# Altium PCB Vesa-Esp.PcbDoc
Units mm, origin at the board's own origin, x right, y up, seen from the top; angles counter-clockwise.
Board outline 120.35 x 116.57 mm, 2 copper layers (Top Layer, Bottom Layer); 80 components, 62 nets, 276 pads, 270 vias.
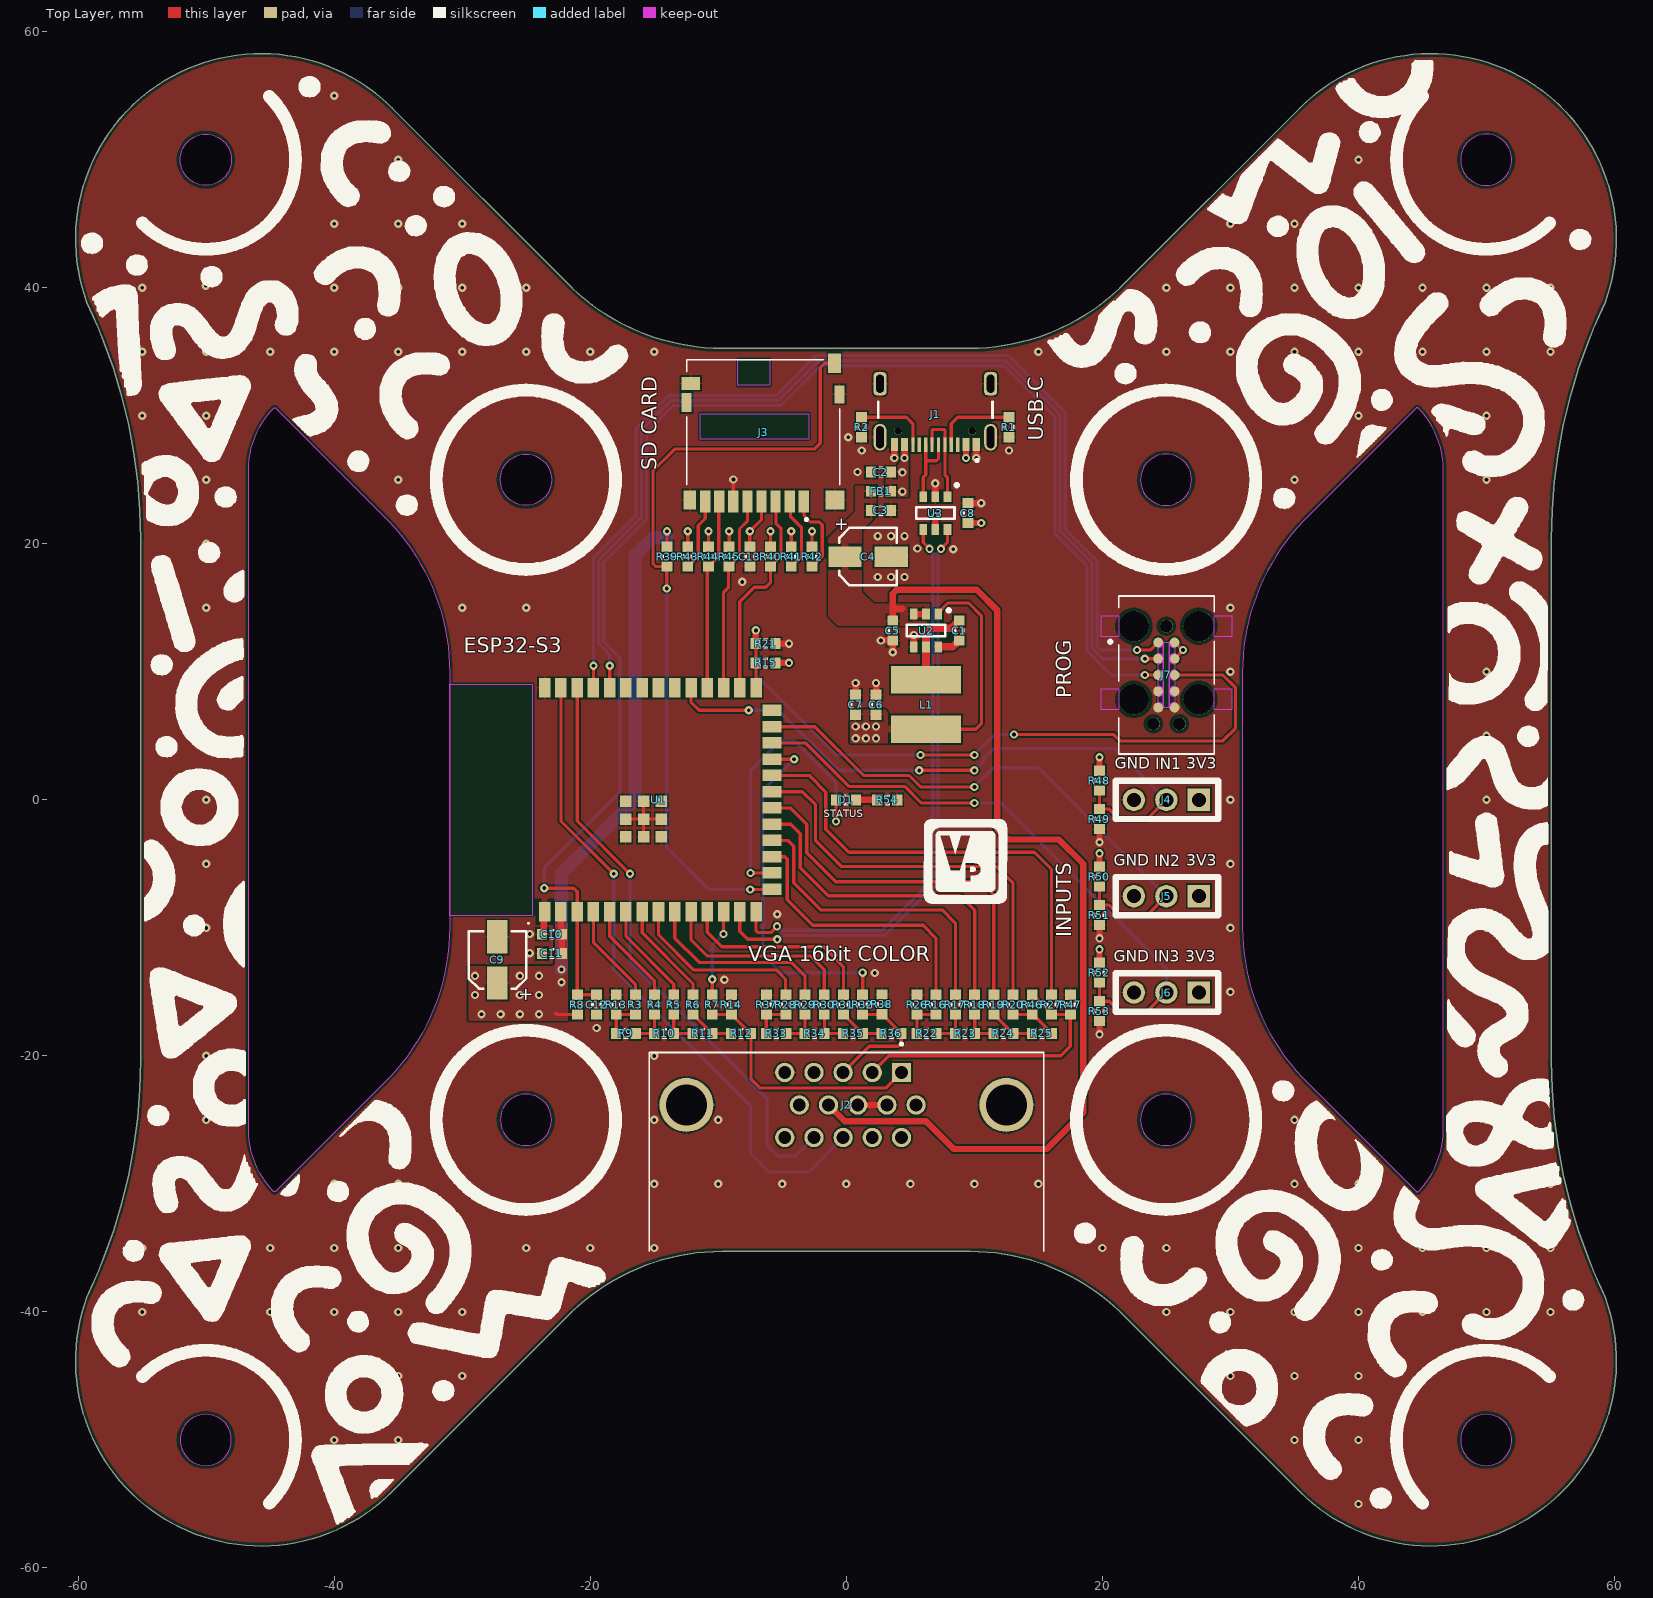
[diagram p0: Top Layer view]
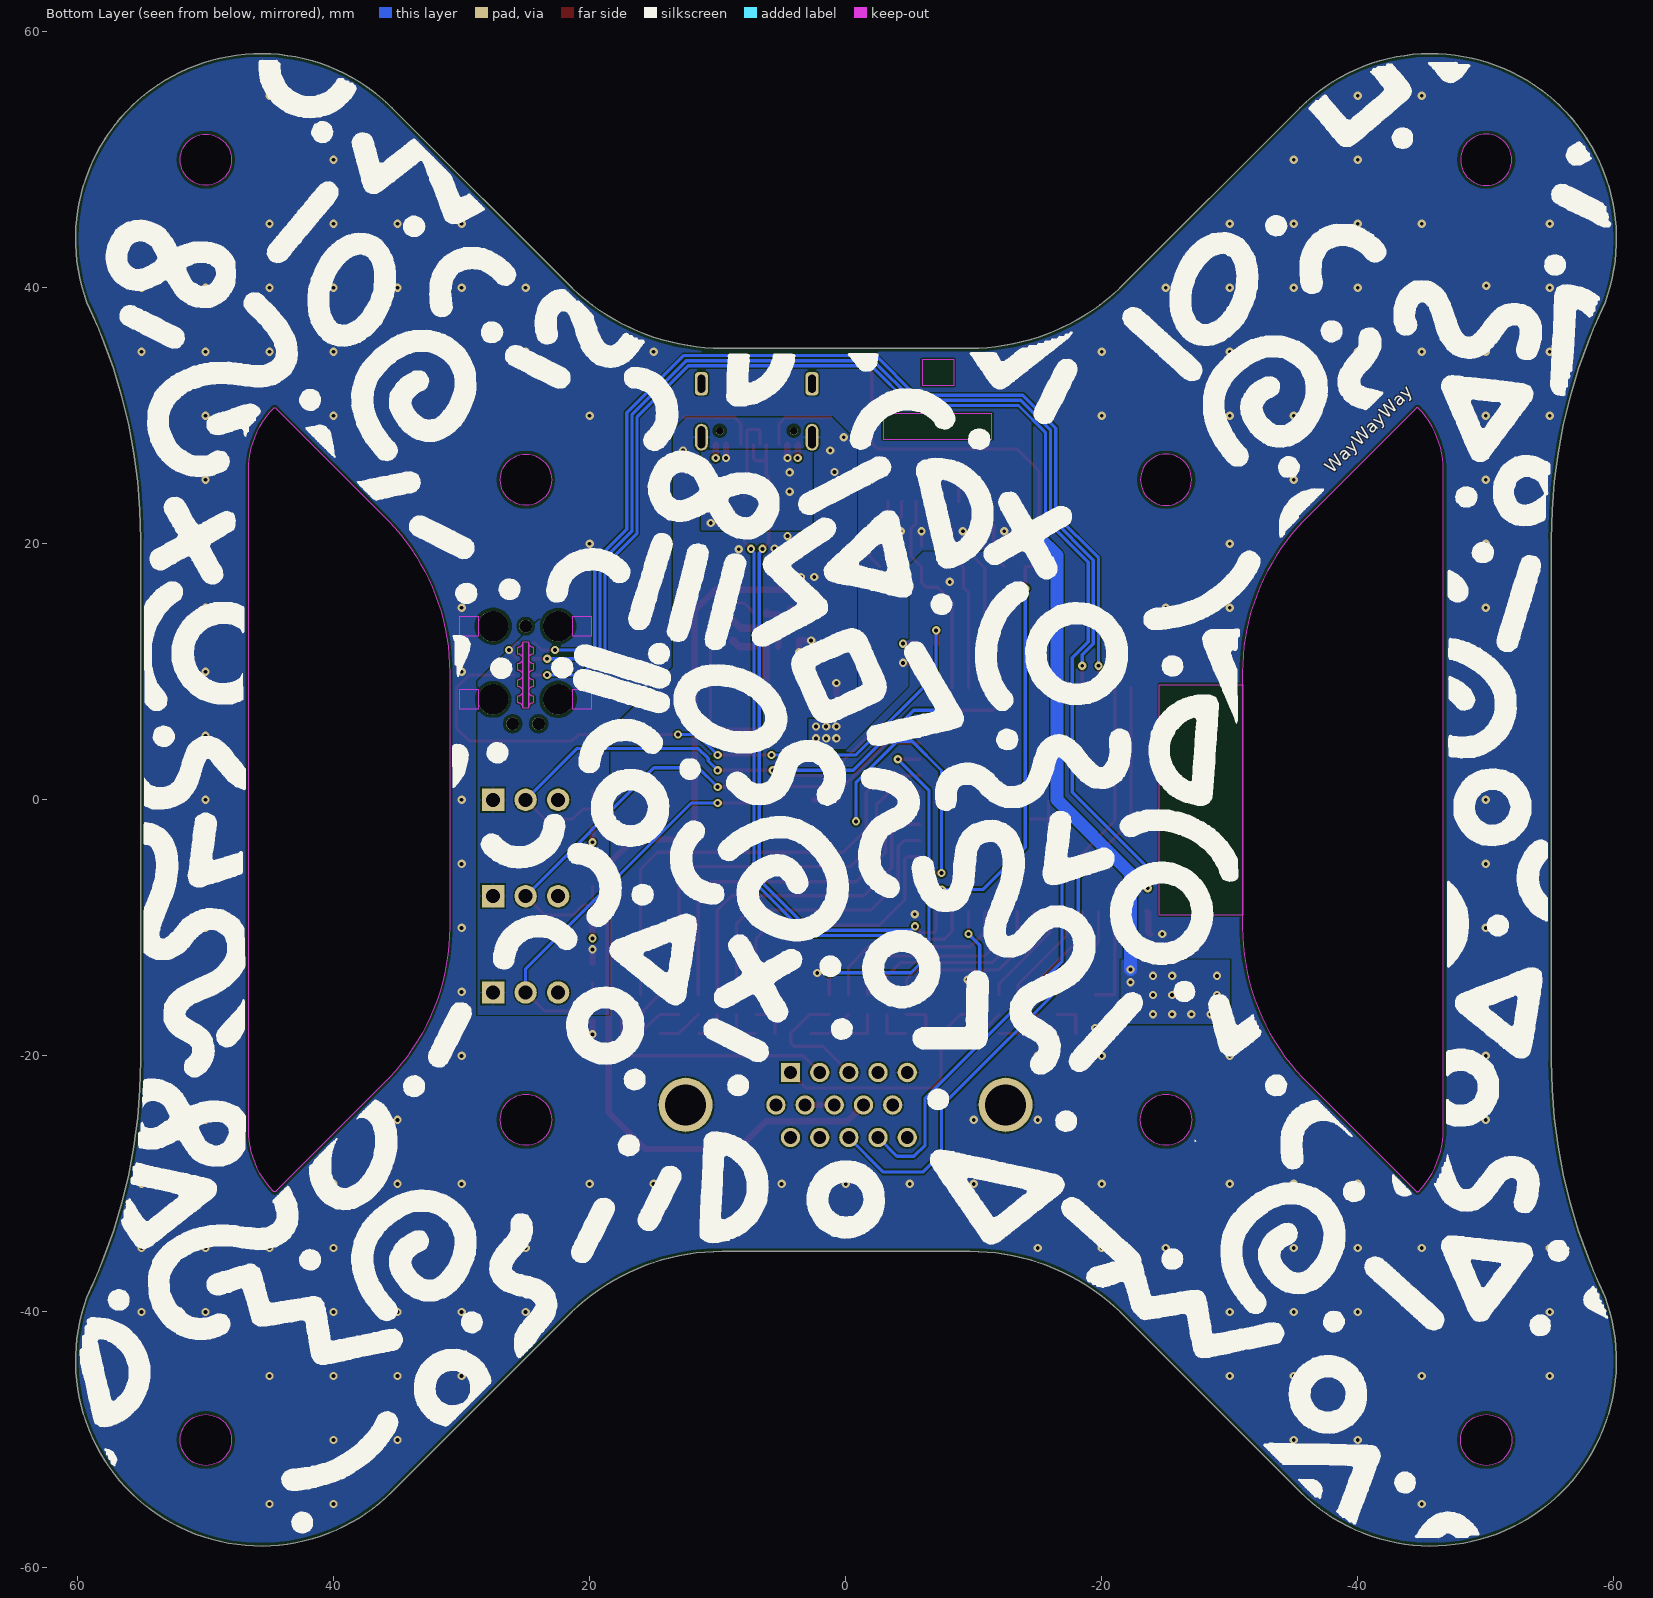
[diagram p1: Bottom Layer view, seen from below]

## Layer stack, top to bottom
Top Solder: solder mask 0.0102, Solder Resist, Dk 3.5
Top Layer: signal copper 0.0356
Dielectric 1: dielectric 0.32, FR-4, Dk 4.8
Bottom Layer: signal copper 0.0356
Bottom Solder: solder mask 0.0102, Solder Resist, Dk 3.5

## Board outline
-59.328,-38.855 ccw(c-97.864,-20.365) -55.122,-20.365 -55.122,20.365 ccw(c-97.864,20.365) -59.328,38.855 cw(c-45.722,43.807) -35.484,54.045 -21.415,39.975 ccw(c-9.694,52.229) -9.694,35.272 9.644,35.272 ccw(c9.644,52.229) 21.365,39.975 35.434,54.045 cw(c45.672,43.807) 59.278,38.855 ccw(c97.814,20.365) 55.072,20.365 55.072,-20.365 ccw(c97.814,-20.365) 59.278,-38.855 cw(c45.672,-43.807) 35.434,-54.045 21.365,-39.975 ccw(c9.644,-52.229) 9.644,-35.272 -9.694,-35.272 ccw(c-9.694,-52.229) -21.415,-39.975 -35.484,-54.045 cw(c-45.722,-43.807)
cut-out: 44.692,-30.588 ccw(c44.183,-30.099) 44.694,-30.586 ccw(c39.623,-25.739) 46.638,-25.739 46.638,25.739 ccw(c39.623,25.739) 44.692,30.588 ccw(c44.6,30.5) 44.501,30.58 35.678,21.757 ccw(c35.759,21.674) 35.675,21.754 ccw(c48.076,9.923) 30.937,9.923 30.937,-9.929 ccw(c31.06,-9.929) 30.937,-9.936 ccw(c48.076,-9.907) 35.647,-21.709 ccw(c35.767,-21.666) 35.678,-21.757 44.501,-30.58 ccw(c44.6,-30.5) 44.691,-30.589 ccw(c44.61,-30.51)
cut-out: -44.742,-30.588 cw(c-44.233,-30.099) -44.744,-30.586 cw(c-39.673,-25.739) -46.688,-25.739 -46.687,25.739 cw(c-39.673,25.739) -44.742,30.588 cw(c-44.65,30.5) -44.551,30.58 -35.727,21.757 cw(c-35.809,21.674) -35.725,21.754 cw(c-48.126,9.923) -30.987,9.923 -30.987,-9.929 cw(c-31.11,-9.929) -30.987,-9.936 cw(c-48.126,-9.907) -35.697,-21.709 cw(c-35.817,-21.666) -35.728,-21.757 -44.551,-30.58 cw(c-44.65,-30.5) -44.741,-30.589 cw(c-44.66,-30.51)
cut-out: -50.025,48 cw(c-50.025,50) -52.025,50 cw(c-50.025,50) -50.025,52 cw(c-50.025,50) -48.025,50 cw(c-50.025,50)
cut-out: -25.025,23 cw(c-25.025,25) -27.025,25 cw(c-25.025,25) -25.025,27 cw(c-25.025,25) -23.025,25 cw(c-25.025,25)
cut-out: 47.975,50 ccw(c49.975,50) 49.975,48 ccw(c49.975,50) 51.975,50 ccw(c49.975,50) 49.975,52 ccw(c49.975,50)
cut-out: 22.975,25 ccw(c24.975,25) 24.975,23 ccw(c24.975,25) 26.975,25 ccw(c24.975,25) 24.975,27 ccw(c24.975,25)
cut-out: 47.975,-50 ccw(c49.975,-50) 49.975,-52 ccw(c49.975,-50) 51.975,-50 ccw(c49.975,-50) 49.975,-48 ccw(c49.975,-50)
cut-out: 22.975,-25 ccw(c24.975,-25) 24.975,-27 ccw(c24.975,-25) 26.975,-25 ccw(c24.975,-25) 24.975,-23 ccw(c24.975,-25)
cut-out: -27.025,-25 ccw(c-25.025,-25) -25.025,-27 ccw(c-25.025,-25) -23.025,-25 ccw(c-25.025,-25) -25.025,-23 ccw(c-25.025,-25)
cut-out: -52.025,-50 ccw(c-50.025,-50) -50.025,-52 ccw(c-50.025,-50) -48.025,-50 ccw(c-50.025,-50) -50.025,-48 ccw(c-50.025,-50)

## Design rules (kind name [scope] priority, off if disabled: settings)
BoardOutlineClearance [All] p1: gap=0.2 ignorepadtopadclearanceinfootprint=FALSE
Clearance [All] p1: gap=0.127 ignorepadtopadclearanceinfootprint=TRUE except(0.254: Arc-Hole Track-Hole SMDPad-Hole THPad-Hole Via-Hole Fill-Hole Poly-Hole Region-Hole Text-Hole)
ComponentClearance [All] p1: gap=0.127 collisioncheckmode=3 verticalgap=0.127 showdistances=TRUE
DiffPairsRouting [All] p1: maxlimit=0.254 minlimit=0.127 mostfreqgap=0.127 toplayer_minwidth=0.127 toplayer_maxwidth=25.4 toplayer_prefwidth=0.127 bottomlayer_minwidth=0.127 bottomlayer_maxwidth=25.4 bottomlayer_prefwidth=0.127 maxuncoupledlength=12.7
Height [All] p1: minheight=0 maxheight=1816.048 prefheight=12.7
HoleSize [All] p1: absolutevalues=TRUE maxlimit=6.3 minlimit=0.3 maxpercent=80.000 minpercent=20.000
HoleToHoleClearance [All] p1: gap=0.254 allowstackedmicrovias=FALSE
MinimumAnnularRing [All] p1: minimumring=0.152
MinimumSolderMaskSliver [All] p1: minsoldermaskwidth=0.152
PlaneClearance [All] p1: clearance=0.127
PlaneConnect PlaneConnectPowerPads [InPadClass('PowerPads')] p1: planeconnectstyle=Direct reliefexpansion=0.508 reliefentries=4 reliefconductorwidth=0.254 reliefairgap=0.254
PlaneConnect [All] p2: planeconnectstyle=Relief reliefexpansion=0.3 reliefentries=4 reliefconductorwidth=0.508 reliefairgap=0.254
PolygonConnect PolygonConnectPowerPads [All vs (InPadClass('PowerPads'))] p1: connectstyle=Direct reliefconductorwidth=0.254 reliefentries=4 polygonreliefangle="90 Angle" airgapwidth=0.254
PolygonConnect [All] p2: thpad.connectstyle=Relief thpad.reliefconductorwidth=0.127 thpad.reliefentries=4 thpad.polygonreliefangle="90 Angle" thpad.airgapwidth=0.127 smdpad.connectstyle=Relief smdpad.reliefconductorwidth=0.127 smdpad.reliefentries=4 smdpad.polygonreliefangle="90 Angle" smdpad.airgapwidth=0.127 via.connectstyle=Direct via.reliefconductorwidth=0.127 via.reliefentries=4 via.polygonreliefangle="90 Angle" via.airgapwidth=0.127
RoutingVias [All] p1: holewidth=0.3 width=0.6 viastyle="Through Hole" minholewidth=0.3 minwidth=0.6 maxholewidth=0.6 maxwidth=6.6
SilkToSilkClearance [All] p1: silktosilkclearance=0.127
SilkToSolderMaskClearance [IsPad] p1: minsilkscreentomaskgap=0.127 clearancetoexposedcopper=TRUE
SolderMaskExpansion [All] p1: expansion=0.051 istentingtop=FALSE
UnRoutedNet [All] p1: checkbadconnections=TRUE
Width Width_10mil [All] p1: maxlimit=25.4 minlimit=0.254 preferedwidth=0.254 minimp=50.000000 maximp=50.000000 favimp=50.000000
Width Width_6mil [All] p2: maxlimit=25.4 minlimit=0.152 preferedwidth=0.152 minimp=50.000000 maximp=50.000000 favimp=50.000000
Width Power_20mil [All] p3: maxlimit=25.4 minlimit=0.508 preferedwidth=0.508 minimp=50.000000 maximp=50.000000 favimp=50.000000
Width Power_12mil [All] p4: maxlimit=25.4 minlimit=0.305 preferedwidth=0.305 minimp=50.000000 maximp=50.000000 favimp=50.000000
Width Width_5mil [All] p5: maxlimit=25.4 minlimit=0.127 preferedwidth=0.127 minimp=50.000000 maximp=50.000000 favimp=50.000000
19 further rules are at their usual default settings.

## Components (designator, comment, footprint, x,y, rotation, side; value= is the part's Value field where it differs from the comment)
C1 "100nF 50V" CAPC1608X06N 8.825,13.225 r270 top
C2 "10nF 100V" CAPC1608X06N 2.7,25.6 r0 top
C3 "100nF 50V" CAPC1608X06N 2.7,22.6 r180 top
C4 "47uF 20V" 865080342006 1.7,19 r180 top
C5 "22uF 6V3" CAPC1608X06N 3.625,13.225 r90 top
C6 "22uF 6V3" CAPC1608X06N 2.325,7.425 r270 top
C7 "22uF 6V3" CAPC1608X06N 0.725,7.425 r270 top
C8 "100nF 50V" CAPC1608X06N 9.5,22.4 r270 top
C9 "47uF 20V" 865080342006 -27.25,-12.5 r270 top
C10 "22uF 6V3" CAPC1608X06N -23,-10.5 r0 top
C11 "100nF 50V" CAPC1608X06N -23,-12 r0 top
C12 "100nF 50V" CAPC1608X06N -19.5,-16 r90 top
C13 "100nF 50V" CAPC1608X06N -7.534,19 r90 top
D1 "QBLP601-IW" LEDC1608X06N -0.025,0 r0 top
FB1 "33R 100MHz" INDC1608X06N 2.7,24.1 r180 top
J1 "USB4105-GF-A" USB4105-GF-A 6.95,32.5 r180 top
J2 "ICD15S13E4GX00LF" ICD15S13E4GX00LF 0.005,-23.835 r0 top
J3 "DM3D-SF" DM3D-SF -6.498,28.253 r0 top
J4 "Conn_2.54mm_3POS" CONN_2.54MM_3POS 27.54,0 r180 top
J5 "Conn_2.54mm_3POS" CONN_2.54MM_3POS 27.54,-7.525 r180 top
J6 "Conn_2.54mm_3POS" CONN_2.54MM_3POS 27.54,-15.05 r180 top
J7 "TC2050-IDC" TAG_CONNECT 25,9.75 r270 top
L1 "3.9uH/3.6A" SDE0604A-3R9M 6.225,7.425 r270 top
R1 "5K1 1%" RESC1608X06N 12.7,29.1 r90 top
R2 "5K1 1%" RESC1608X06N 1.2,29.1 r90 top
R3 "300R 1%" RESC1608X06N -16.475,-16 r270 top
R4 "300R 1%" RESC1608X06N -14.975,-16 r270 top
R5 "300R 1%" RESC1608X06N -13.475,-16 r270 top
R6 "300R 1%" RESC1608X06N -11.975,-16 r270 top
R7 "300R 1%" RESC1608X06N -10.475,-16 r270 top
R8 "10K 1%" RESC1608X06N -21,-16 r90 top
R9 "150R 1%" RESC1608X06N -17.225,-18.25 r0 top
R10 "150R 1%" RESC1608X06N -14.225,-18.25 r0 top
R11 "150R 1%" RESC1608X06N -11.225,-18.25 r0 top
R12 "150R 1%" RESC1608X06N -8.225,-18.25 r0 top
R13 "300R 1%" RESC1608X06N -17.975,-16 r270 top
R14 "150R 1%" RESC1608X06N -8.975,-16 r90 top
R15 "10K 1%" RESC1608X06N -6.3,10.7 r180 top
R16 "300R 1%" RESC1608X06N 7,-16 r270 top
R17 "300R 1%" RESC1608X06N 8.525,-16 r270 top
R18 "300R 1%" RESC1608X06N 10.025,-16 r270 top
R19 "300R 1%" RESC1608X06N 11.525,-16 r270 top
R20 "300R 1%" RESC1608X06N 13.025,-16 r270 top
R21 "10K 1%" RESC1608X06N -6.3,12.2 r0 top
R22 "150R 1%" RESC1608X06N 6.275,-18.25 r0 top
R23 "150R 1%" RESC1608X06N 9.275,-18.25 r0 top
R24 "150R 1%" RESC1608X06N 12.275,-18.25 r0 top
R25 "150R 1%" RESC1608X06N 15.275,-18.25 r0 top
R26 "300R 1%" RESC1608X06N 5.525,-16 r270 top
R27 "300R 1%" RESC1608X06N 16.025,-16 r270 top
R28 "300R 1%" RESC1608X06N -4.725,-16 r270 top
R29 "300R 1%" RESC1608X06N -3.225,-16 r270 top
R30 "300R 1%" RESC1608X06N -1.725,-16 r270 top
R31 "300R 1%" RESC1608X06N -0.225,-16 r270 top
R32 "300R 1%" RESC1608X06N 1.275,-16 r270 top
R33 "150R 1%" RESC1608X06N -5.475,-18.25 r0 top
R34 "150R 1%" RESC1608X06N -2.475,-18.25 r0 top
R35 "150R 1%" RESC1608X06N 0.525,-18.25 r0 top
R36 "150R 1%" RESC1608X06N 3.525,-18.25 r0 top
R37 "300R 1%" RESC1608X06N -6.225,-16 r270 top
R38 "150R 1%" RESC1608X06N 2.775,-15.975 r90 top
R39 "10K 1%" RESC1608X06N -14,19 r270 top
R40 "10K 1%" RESC1608X06N -5.916,19 r270 top
R41 "10K 1%" RESC1608X06N -4.298,19 r270 top
R42 "10K 1%" RESC1608X06N -2.681,19 r270 top
R43 "10K 1%" RESC1608X06N -12.387,19 r270 top
R44 "10K 1%" RESC1608X06N -10.769,19 r270 top
R45 "10K 1%" RESC1608X06N -9.151,19 r270 top
R46 "150R 1%" RESC1608X06N 14.525,-16 r90 top
R47 "300R 1%" RESC1608X06N 17.525,-16 r270 top
R48 "10K 1%" RESC1608X06N 19.775,1.5 r270 top
R49 "10K 1%" RESC1608X06N 19.775,-1.5 r270 top
R50 "10K 1%" RESC1608X06N 19.775,-6 r270 top
R51 "10K 1%" RESC1608X06N 19.775,-9 r270 top
R52 "10K 1%" RESC1608X06N 19.775,-13.5 r270 top
R53 "10K 1%" RESC1608X06N 19.775,-16.5 r270 top
R54 "300R 1%" RESC1608X06N 3.2,0 r180 top
U1 "ESP32-S3-WROOM-1-N16R8" ESP32-S3-WROOM -18.3,0 r90 top
U2 "AP63203WU-7" SOT95P245X100-6N 6.225,13.225 r270 top
U3 "USBLC6-2SC6" SOT95P245X100-6N 6.95,22.4 r270 top

## Footprints (in the part's own frame and the unit in brackets; to place one, negate y for a bottom-side part, rotate by r counter-clockwise, add the part's x,y. Pads: shape width x height; smd on the part's side, far side on the other; paste and mask are expansions set on the pad)
865080342006 [mm]
  rect 2.6x1.6 smd: 1(1.8,0) 2(-1.8,0)
  silkscreen extent -2.25,-2.25 2.25,2.25, body extent -2.5,-2.15 2.5,2.15, height 5.5
CAPC1608X06N [mm] "Chip Capacitor, 2-Leads, Body 1.60x0.80mm, IPC Medium Density"
  rect 0.8x0.85 smd: 1(-0.775,0) 2(0.775,0)
  silkscreen extent -0.1,-0.33 0.1,0.33, body extent -0.8,-0.4 0.8,0.4, height 0.6
CONN_2.54MM_3POS [mm]
  rect 1.75x1.75 hole 1.1: 1(0,0)
  round 1.75 hole 1.1: 2(2.54,0) 3(5.08,0)
  silkscreen extent -1.5,-1.5 6.5,1.5
DM3D-SF [mm]
  rect 0.8x1.75 smd: 1(3.173,-4.953) 2(2.073,-4.953) 3(0.973,-4.953) 4(-0.127,-4.953) 5(-1.227,-4.953) 6(-2.327,-4.953) 7(-3.427,-4.953) 8(-4.527,-4.953)
  rect 1x1.5 smd: S1(-5.727,-4.828)
  rect 1.5x1.5 smd: S2(5.623,-4.828)
  rect 0.8x1.5 smd: S3(-5.977,2.772)
  rect 0.8x1.4 smd: S4(5.973,3.422)
  rect 1x1.55 smd: SW-A(5.573,5.847)
  rect 1.45x1 smd mask+0.03: SW-B(-5.652,4.272)
  Keep-Out Layer region: 0.523,4.122 -1.977,4.122 -1.977,6.122 0.523,6.122
  Keep-Out Layer region: 3.573,-0.078 -4.927,-0.078 -4.927,1.922 3.573,1.922
  silkscreen extent -5.98,-6.45 5.97,6.12, body extent -5.97,-5.34 5.97,6.11, height 1.56
ESP32-S3-WROOM [mm]
  rect 1.5x0.9 smd: 1(-8.75,5.26) 2(-8.75,3.99) 3(-8.75,2.72) 4(-8.75,1.45) 5(-8.75,0.18) 6(-8.75,-1.09) 7(-8.75,-2.36) 8(-8.75,-3.63) 9(-8.75,-4.9) 10(-8.75,-6.17) 11(-8.75,-7.44) 12(-8.75,-8.71) 13(-8.75,-9.98) 14(-8.75,-11.25) 27(8.75,-11.25) 28(8.75,-9.98) 29(8.75,-8.71) 30(8.75,-7.44) 31(8.75,-6.17) 32(8.75,-4.9) 33(8.75,-3.63) 34(8.75,-2.36) 35(8.75,-1.09) 36(8.75,0.18) 37(8.75,1.45) 38(8.75,2.72) 39(8.75,3.99) 40(8.75,5.26)
  rect 0.9x1.5 smd: 15(-6.985,-12.5) 16(-5.715,-12.5) 17(-4.445,-12.5) 18(-3.175,-12.5) 19(-1.905,-12.5) 20(-0.635,-12.5) 21(0.635,-12.5) 22(1.905,-12.5) 23(3.175,-12.5) 24(4.445,-12.5) 25(5.715,-12.5) 26(6.985,-12.5)
  rect 0.9x0.9 smd: 41(-2.9,-2.46) 41(-2.9,-1.06) 41(-2.9,-3.86) 41(-1.5,-1.06) 41(-1.5,-3.86) 41(-1.5,-2.46) 41(-0.1,-1.06) 41(-0.1,-2.46) 41(-0.1,-3.86)
  silkscreen extent -9.7,6.48 -9.6,6.57, body extent -9,-12.75 9,12.75, height 3.25
ICD15S13E4GX00LF [mm]
  rect 1.508x1.508 hole 1: 1(4.305,2.54)
  round 1.508 hole 1: 2(2.025,2.54) 3(-0.255,2.54) 4(-2.535,2.54) 5(-4.815,2.54) 6(5.445,0) 7(3.165,0) 8(0.885,0) 9(-1.395,0) 10(-3.675,0) 11(4.305,-2.54) 12(2.025,-2.54) 13(-0.255,-2.54) 14(-2.535,-2.54) 15(-4.815,-2.54)
  round 4.216 hole 3.2: S1(-12.495,0) S2(12.495,0)
  silkscreen extent -15.41,-11.43 15.41,4.85, body extent -15.51,-17.53 15.5,4.05, height 12.55
INDC1608X06N [mm] "Chip Inductor, 2-Leads, Body 1.60x0.80mm, IPC Medium Density"
  rect 0.8x0.85 smd: 1(-0.775,0) 2(0.775,0)
  silkscreen extent -0.1,-0.33 0.1,0.33, body extent -0.8,-0.4 0.8,0.4, height 0.6
LEDC1608X06N [mm] "Chip LED, 2-Leads, Body 1.60x0.80mm, IPC Medium Density"
  rect 0.8x0.85 smd: 1(-0.775,0) 2(0.775,0)
  silkscreen extent -0.1,-0.33 0.1,0.33, body extent -0.8,-0.4 0.8,0.4, height 0.6
RESC1608X06N [mm] "Chip Resistor, 2-Leads, Body 1.60x0.80mm, IPC Medium Density"
  rect 0.8x0.85 smd: 1(-0.775,0) 2(0.775,0)
  silkscreen extent -0.1,-0.33 0.1,0.33, body extent -0.8,-0.4 0.8,0.4, height 0.6
SDE0604A-3R9M [mm]
  rect 2.15x5.5 smd: 1(-1.945,0) 2(1.905,0)
  body extent -2.8,-2.61 2.78,2.59, height 4.52
SOT95P245X100-6N [mm] "SOT23, 6-Leads, Body 2.90x2.45mm, Pitch 0.95mm, IPC Medium Density"
  rect 0.85x0.6 smd: 1(-1.275,0.95) 2(-1.275,0) 3(-1.275,-0.95) 4(1.275,-0.95) 5(1.275,0) 6(1.275,0.95)
  silkscreen extent -1.7,-1.5 0.45,1.9, body extent -1.45,-1.45 1.45,1.45, height 1
TAG_CONNECT [mil]
  round 31 smd paste-39.37: 1(-100,-25) 2(-50,-25) 3(0,-25) 4(50,-25) 5(100,-25) 6(100,25) 7(50,25) 8(0,25) 9(-50,25) 10(-100,25)
  round 93.5 hole 93.5 unplated: ""(-150,100) ""(-150,-100) ""(75,100) ""(75,-100)
  round 39 hole 39 unplated: ""(-150,0) ""(150,-39.96) ""(150,39.96)
  Keep-Out Layer region: 106.1,-145.66 44.09,-145.66 44.09,-201.76 106.1,-201.76
  Keep-Out Layer region: -118.9,-145.66 -180.91,-145.66 -180.91,-201.76 -118.9,-201.76
  Keep-Out Layer region: 43.89,145.68 105.9,145.68 105.9,201.78 43.89,201.78
  Keep-Out Layer region: -181.11,145.68 -119.1,145.68 -119.1,201.78 -181.11,201.78
  Keep-Out Layer region: 84.53,24.17 84.57,23.39 84.68,22.56 84.84,21.77 85.04,20.98 85.28,20.2 85.51,19.45 85.83,18.7 86.18,17.95 86.57,17.24 87.01,16.57 87.44,15.91 87.95,15.24 88.46,14.65 89.06,14.06 89.65,13.46 90.24,12.95 90.91,12.44 91.57,12.01 92.24,11.57 92.95,11.18 93.7,10.83 94.45,10.51 95.2,10.28 95.98,10.04 96.77,9.84 97.56,9.68 98.39,9.57 99.17,9.53 99.75,9.5 100,9.5 100,9.49 99.75,9.5 50,9.49 50.83,9.53 51.61,9.57 52.44,9.68 53.23,9.84 54.02,10.04 54.8,10.28 55.55,10.51 56.3,10.83 57.05,11.18 57.76,11.57 58.43,12.01 59.09,12.44 59.76,12.95 60.35,13.46 60.94,14.06 61.54,14.65 62.05,15.24 62.56,15.91 62.99,16.57 63.43,17.24 63.82,17.95 64.17,18.7 64.49,19.45 64.72,20.2 64.96,20.98 65.16,21.77 65.31,22.56 65.43,23.39 65.47,24.17 65.51,25 84.49,25
  Keep-Out Layer region: 34.53,24.17 34.57,23.39 34.68,22.56 34.84,21.77 35.04,20.98 35.28,20.2 35.51,19.45 35.83,18.7 36.18,17.95 36.57,17.24 37.01,16.57 37.44,15.91 37.95,15.24 38.46,14.65 39.06,14.06 39.65,13.46 40.24,12.95 40.91,12.44 41.57,12.01 42.24,11.57 42.95,11.18 43.7,10.83 44.45,10.51 45.2,10.28 45.98,10.04 46.77,9.84 47.56,9.68 48.39,9.57 49.17,9.53 49.75,9.5 50,9.5 50,9.49 49.75,9.5 0,9.49 0.83,9.53 1.61,9.57 2.44,9.68 3.23,9.84 4.02,10.04 4.8,10.28 5.55,10.51 6.3,10.83 7.05,11.18 7.76,11.57 8.43,12.01 9.09,12.44 9.76,12.95 10.35,13.46 10.94,14.06 11.54,14.65 12.05,15.24 12.56,15.91 12.99,16.57 13.43,17.24 13.82,17.95 14.17,18.7 14.49,19.45 14.72,20.2 14.96,20.98 15.16,21.77 15.31,22.56 15.43,23.39 15.47,24.17 15.51,25 34.49,25
  Keep-Out Layer region: -15.47,24.17 -15.43,23.39 -15.32,22.56 -15.16,21.77 -14.96,20.98 -14.72,20.2 -14.49,19.45 -14.17,18.7 -13.82,17.95 -13.43,17.24 -12.99,16.57 -12.56,15.91 -12.05,15.24 -11.54,14.65 -10.94,14.06 -10.35,13.46 -9.76,12.95 -9.09,12.44 -8.43,12.01 -7.76,11.57 -7.05,11.18 -6.3,10.83 -5.55,10.51 -4.8,10.28 -4.02,10.04 -3.23,9.84 -2.44,9.68 -1.61,9.57 -0.83,9.53 -0.25,9.5 0,9.5 0,9.49 -0.25,9.5 -50,9.49 -49.17,9.53 -48.39,9.57 -47.56,9.68 -46.77,9.84 -45.98,10.04 -45.2,10.28 -44.45,10.51 -43.7,10.83 -42.95,11.18 -42.24,11.57 -41.57,12.01 -40.91,12.44 -40.24,12.95 -39.65,13.46 -39.06,14.06 -38.46,14.65 -37.95,15.24 -37.44,15.91 -37.01,16.57 -36.57,17.24 -36.18,17.95 -35.83,18.7 -35.51,19.45 -35.28,20.2 -35.04,20.98 -34.84,21.77 -34.69,22.56 -34.57,23.39 -34.53,24.17 -34.49,25 -15.51,25
  Keep-Out Layer region: -65.47,24.17 -65.43,23.39 -65.32,22.56 -65.16,21.77 -64.96,20.98 -64.72,20.2 -64.49,19.45 -64.17,18.7 -63.82,17.95 -63.43,17.24 -62.99,16.57 -62.56,15.91 -62.05,15.24 -61.54,14.65 -60.94,14.06 -60.35,13.46 -59.76,12.95 -59.09,12.44 -58.43,12.01 -57.76,11.57 -57.05,11.18 -56.3,10.83 -55.55,10.51 -54.8,10.28 -54.02,10.04 -53.23,9.84 -52.44,9.68 -51.61,9.57 -50.83,9.53 -50.25,9.5 -50,9.5 -50,9.49 -50.25,9.5 -100,9.49 -99.17,9.53 -98.39,9.57 -97.56,9.68 -96.77,9.84 -95.98,10.04 -95.2,10.28 -94.45,10.51 -93.7,10.83 -92.95,11.18 -92.24,11.57 -91.57,12.01 -90.91,12.44 -90.24,12.95 -89.65,13.46 -89.06,14.06 -88.46,14.65 -87.95,15.24 -87.44,15.91 -87.01,16.57 -86.57,17.24 -86.18,17.95 -85.83,18.7 -85.51,19.45 -85.28,20.2 -85.04,20.98 -84.84,21.77 -84.69,22.56 -84.57,23.39 -84.53,24.17 -84.49,25 -65.51,25
  Keep-Out Layer region: 49.17,-9.53 48.39,-9.57 47.56,-9.69 46.77,-9.84 45.98,-10.04 45.2,-10.28 44.45,-10.51 43.7,-10.83 42.95,-11.18 42.24,-11.57 41.57,-12.01 40.91,-12.44 40.24,-12.95 39.65,-13.46 39.06,-14.06 38.46,-14.65 37.95,-15.24 37.44,-15.91 37.01,-16.57 36.57,-17.24 36.18,-17.95 35.83,-18.7 35.51,-19.45 35.28,-20.2 35.04,-20.98 34.84,-21.77 34.68,-22.56 34.57,-23.39 34.53,-24.17 34.49,-25 15.51,-25 15.47,-24.17 15.43,-23.39 15.31,-22.56 15.16,-21.77 14.96,-20.98 14.72,-20.2 14.49,-19.45 14.17,-18.7 13.82,-17.95 13.43,-17.24 12.99,-16.57 12.56,-15.91 12.05,-15.24 11.54,-14.65 10.94,-14.06 10.35,-13.46 9.76,-12.95 9.09,-12.44 8.43,-12.01 7.76,-11.57 7.05,-11.18 6.3,-10.83 5.55,-10.51 4.8,-10.28 4.02,-10.04 3.23,-9.84 2.44,-9.69 1.61,-9.57 0.83,-9.53 0.25,-9.5 0,-9.5 0,-9.49 0.25,-9.5 50,-9.49
  Keep-Out Layer region: 99.17,-9.53 98.39,-9.57 97.56,-9.69 96.77,-9.84 95.98,-10.04 95.2,-10.28 94.45,-10.51 93.7,-10.83 92.95,-11.18 92.24,-11.57 91.57,-12.01 90.91,-12.44 90.24,-12.95 89.65,-13.46 89.06,-14.06 88.46,-14.65 87.95,-15.24 87.44,-15.91 87.01,-16.57 86.57,-17.24 86.18,-17.95 85.83,-18.7 85.51,-19.45 85.28,-20.2 85.04,-20.98 84.84,-21.77 84.68,-22.56 84.57,-23.39 84.53,-24.17 84.49,-25 65.51,-25 65.47,-24.17 65.43,-23.39 65.31,-22.56 65.16,-21.77 64.96,-20.98 64.72,-20.2 64.49,-19.45 64.17,-18.7 63.82,-17.95 63.43,-17.24 62.99,-16.57 62.56,-15.91 62.05,-15.24 61.54,-14.65 60.94,-14.06 60.35,-13.46 59.76,-12.95 59.09,-12.44 58.43,-12.01 57.76,-11.57 57.05,-11.18 56.3,-10.83 55.55,-10.51 54.8,-10.28 54.02,-10.04 53.23,-9.84 52.44,-9.69 51.61,-9.57 50.83,-9.53 50.25,-9.5 50,-9.5 50,-9.49 50.25,-9.5 100,-9.49